# Altium PCB PCB.PcbDoc (part 1 of 3) (continued)
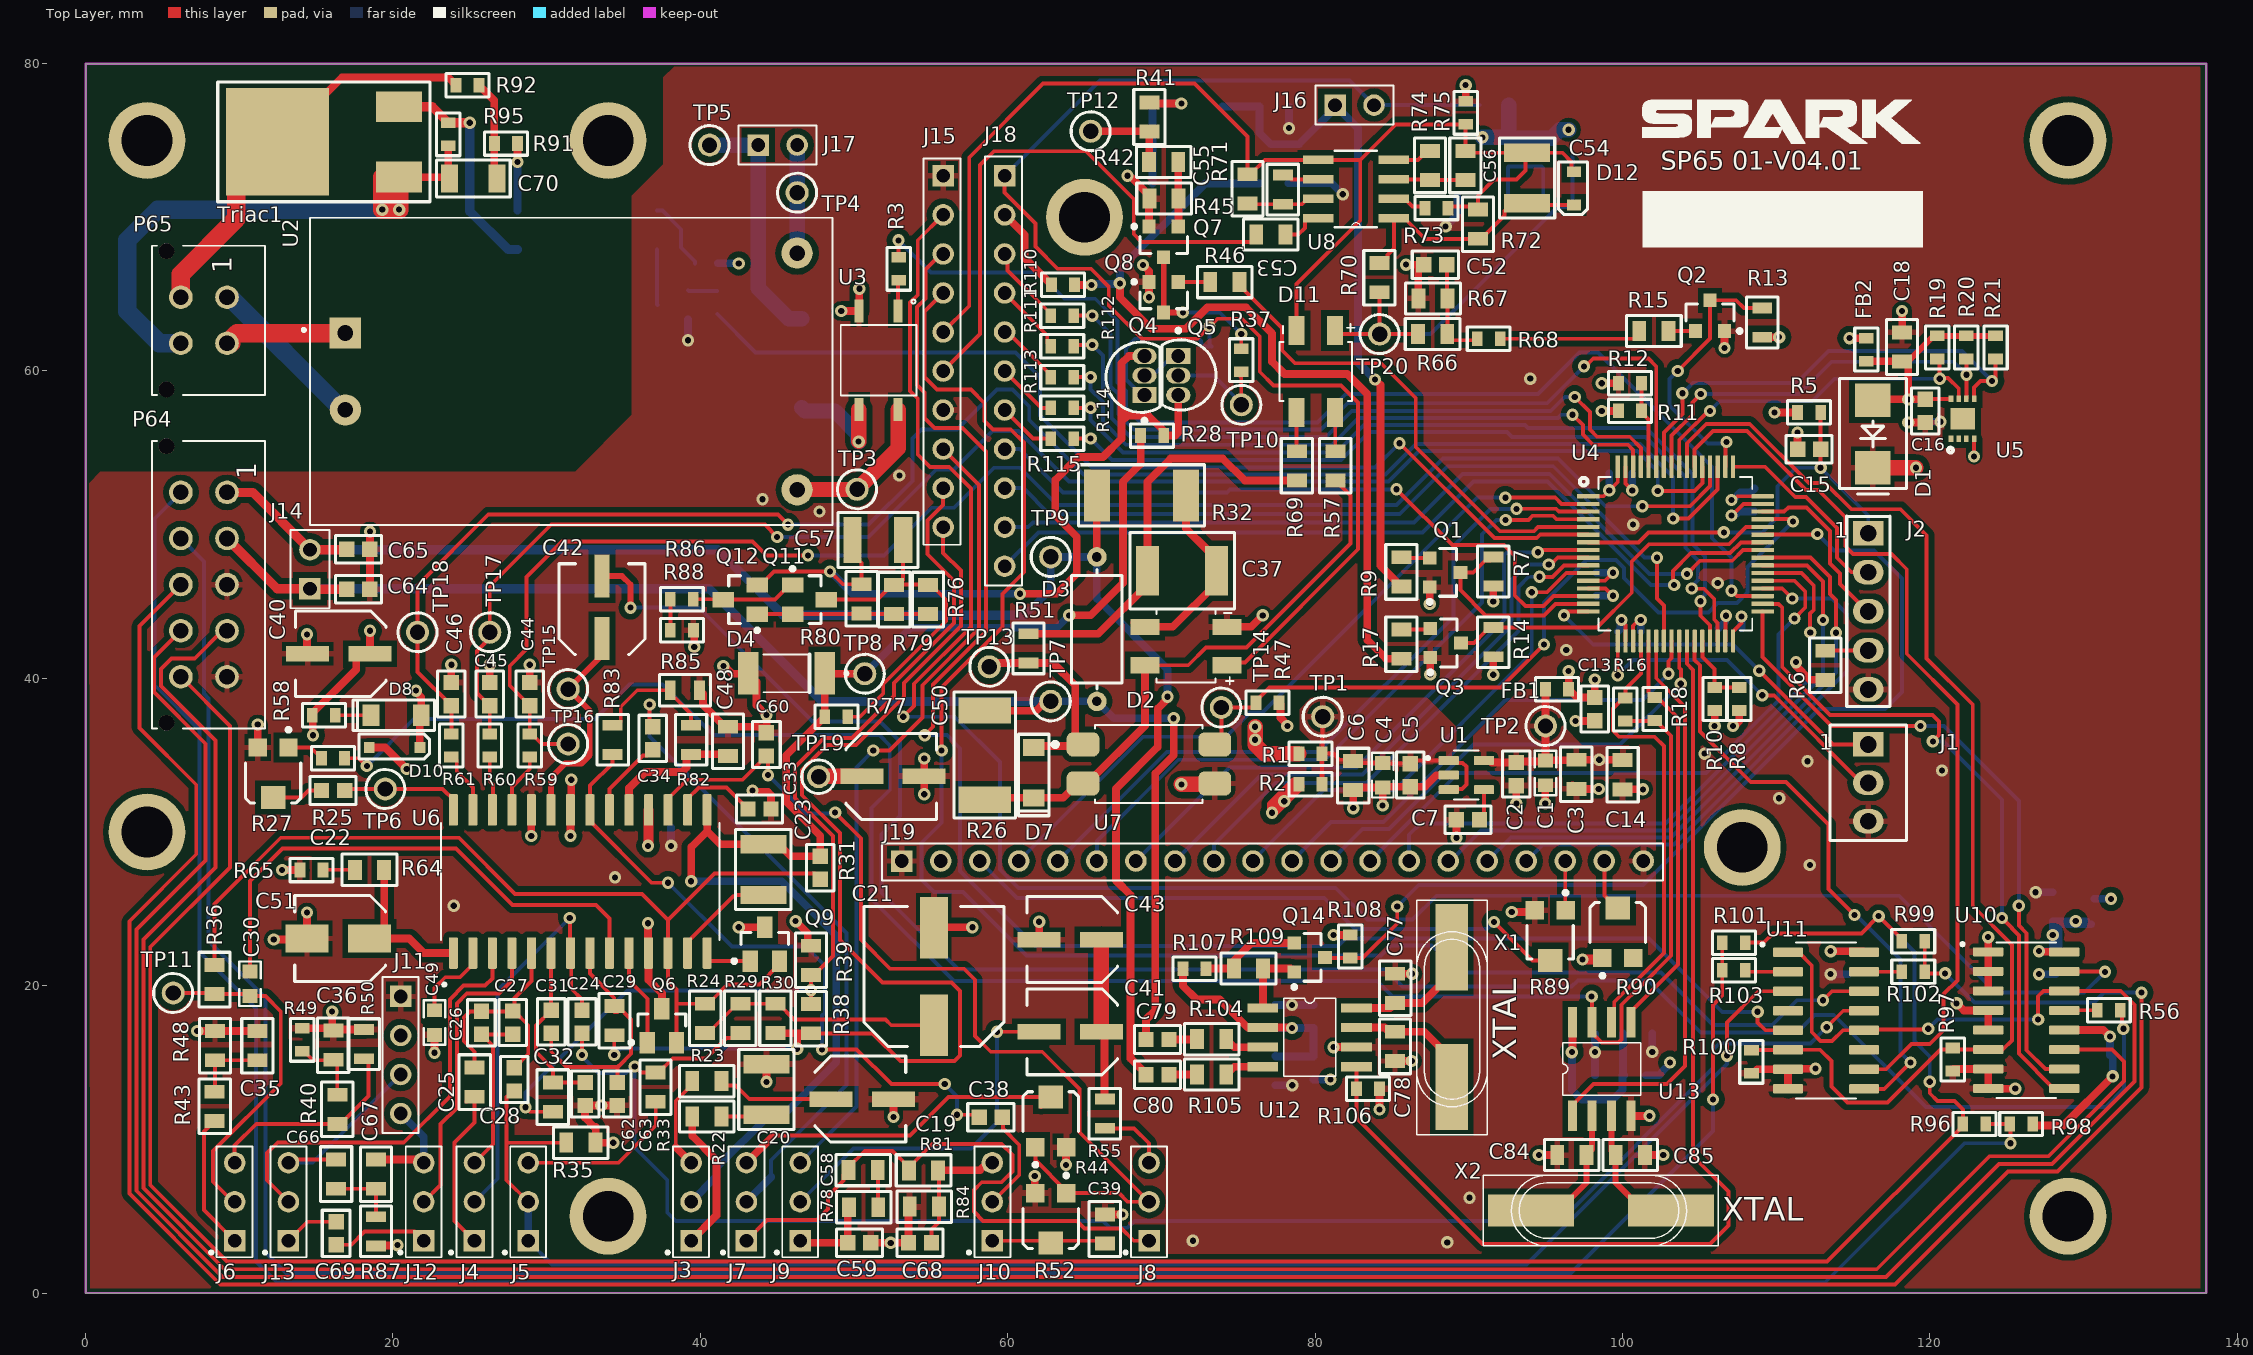
[diagram p0: Top Layer view]
## Part data (continued)
C44 C45 C46 C62 C63 C64 C65: library part CMP-001-00177-2, "Cap, 1000PF, 250V, 10%, X7R, 0603", Case Code (Metric)=1608, Case/Package=0603, Manufacturer="Wurth Electronics", Max Operating Temperature=125°C, Min Operating Temperature=-55°C, Tolerance=10%, Voltage Rating=250V, Category="Ceramic Capacitors", Component Type=Standard, ComponentLink1Description=http://www.farnell.com/datasheets/2547029.pdf?src-supplier=Farnell, ComponentLink1URL=http://www.farnell.com/datasheets/2547029.pdf?src-supplier=Farnell, ComponentLink2Description=http://www.farnell.com/datasheets/2547029.pdf?src-supplier=Newark, ComponentLink2URL=http://www.farnell.com/datasheets/2547029.pdf?src-supplier=Newark, ComponentLink3Description=https://katalog.we-online.de/pbs/datasheet/885342206003.pdf?src-supplier=Digi-Key, ComponentLink3URL=https://katalog.we-online.de/pbs/datasheet/885342206003.pdf?src-supplier=Digi-Key, Design Item ID=885342206003, Manufacturer Part Number=885342206003, Mount="Surface Mount", Packaging="Cut Tape", Pin Count=2, Pricing 1="1=0.1, 10=0.069, 50=0.069, 100=0.062, 1000=0.055, 10000=0.042 (USD)", RoHS=No, Series=WCAP-CSMH, Source=V4-TEL.SCHLIB, Stock 1=14686
C47 C48 C58: library part CMP-001-00133-2, "Cap Ceramic 22uF 10V X5R 10% SMD 0805 85C T/R", Capacitor Type="Ceramic Capacitors", Case Code (Imperial)=0805, Case Code (Metric)=2012, Dielectric=X5R, Max Operating Temperature=85°C, Min Operating Temperature=-55°C, Tolerance=10%, Voltage Rating=10V, Case/Package=0805, Depth=1.25mm, Lead Free="Lead Free", Length=0.079inch, Mounting Technology="Surface Mount", Packaging="Tape and Reel", Pins=2, Radiation Hardening=No, RoHS Compliant=Yes, Series=CL, Thickness=0.037inch, Width=0.049inch
C51: "SMD Aluminium Electrolytic Capacitor, WCAP-ASLI Series, 33 F, 6.3 V, Radial Can - SMD, 4 mm RoHS Compliant: Yes", Case/Package=Radial, Manufacturer="Wurth Electronics", Manufacturer Part Number=865080140003, Max Operating Temperature=105°C, Min Operating Temperature=-55°C, Package Quantity=1, Ripple Current=82mA, Tolerance=20%, Voltage Rating=6.3V, Category="Aluminum Electrolytic Capacitors", Component Type=Standard, ComponentLink1Description=http://www.farnell.com/datasheets/1880086.pdf?src-supplier=Farnell, ComponentLink1URL=http://www.farnell.com/datasheets/1880086.pdf?src-supplier=Farnell, ComponentLink2Description=http://www.farnell.com/datasheets/1880086.pdf?src-supplier=Element14, ComponentLink2URL=http://www.farnell.com/datasheets/1880086.pdf?src-supplier=Element14, ComponentLink3Description=http://katalog.we-online.de/pbs/datasheet/865080140003.pdf?src-supplier=Digi-Key, ComponentLink3URL=http://katalog.we-online.de/pbs/datasheet/865080140003.pdf?src-supplier=Digi-Key, ComponentLink4Description=https://katalog.we-online.de/pbs/datasheet/865080140003.pdf?src-supplier=Digi-Key, ComponentLink4URL=https://katalog.we-online.de/pbs/datasheet/865080140003.pdf?src-supplier=Digi-Key, Design Item ID=865080140003, Diameter=4mm, Height=5.5mm, Height - Seated (Max)=0.217inch, Impedance=1.9R, Mount="Surface Mount", Packaging="Cut Tape", Pin Count=2, Pricing 1="1=0.18, 10=0.18, 50=0.169, 100=0.158, 1000=0.102, 10000=0.102 (USD)", Reach SVHC Compliant=Unknown, Ripple Current (AC)=82mA, RoHS=Yes, RoHS Compliant=Yes, Series=WCAP-ASLI, Source=V4-TEL.SCHLIB, Stock 1=4789, Voltage Rating (DC)=6.3V
C53: "Cap Ceramic 0.22uF 50V X7R 10% SMD 0805 125°C Plastic T/R", Case/Package=Ceramic, Dielectric=X7R, Manufacturer=KEMET, Manufacturer Part Number=C0805C224K5RAC7210, Max Operating Temperature=125°C, Min Operating Temperature=-55°C, Tolerance=10%, Voltage Rating (DC)=50V, Category="Ceramic Capacitors", Component Type=Standard, ComponentLink1Description=https://www.verical.com/server-webapp/html/getDatasheet?partID=708051&src-supplier=Verical, ComponentLink1URL=https://www.verical.com/server-webapp/html/getDatasheet?partID=708051&src-supplier=Verical, ComponentLink2Description=http://components.arrow.com/part/dataview/48344387S408465N7429?src-supplier=Arrow+Electronics, ComponentLink2URL=http://components.arrow.com/part/dataview/48344387S408465N7429?src-supplier=Arrow+Electronics, ComponentLink3Description=http://capacitoredge.kemet.com/capedge2/DataSheet?pn=C0805C224K5RAC7210&src-supplier=Avnet, ComponentLink3URL=http://capacitoredge.kemet.com/capedge2/DataSheet?pn=C0805C224K5RAC7210&src-supplier=Avnet, Construction=Flat, Contact Plating=Tin,Matte, Depth=1.25mm, Design Item ID=C0805C224K5RAC7210, Dielectric Material=Ceramic, Length=2mm, Mount="Surface Mount", Packaging="Tape and Reel", Pin Count=2, Pricing 1="1=0.14, 10=0.094, 50=0.094, 100=0.048, 1000=0.029, 10000=0.022 (USD)", Radiation Hardening=No, RoHS=Yes, RoHS Compliant=Yes, Source=V4-TEL.SCHLIB, Stock 1=10097
C55: Manufacturer=KEMET, Manufacturer Part Number=C0805C621K1HACTU, Category="Ceramic Capacitors", Component Type=Standard, Design Item ID=C0805C621K1HACTU, Pin Count=2, Pricing 1="1=0.1, 10=0.072, 50=0.072, 100=0.033, 1000=0.019, 10000=0.016 (USD)", RoHS=Yes, RoHS Compliant=Yes, Source=V4-TEL.SCHLIB, Stock 1=15121
C56: "Capacitor, Ceramic; 0.1UF; Chip; Case 0805; +/-10%; 50WVDC; SMD; X7R; 2.5% Df; 0.037IN. ,", Case Code (Metric)=2012, Case/Package=0805, Dielectric=X7R, Dielectric Material=Ceramic, Manufacturer="Kyocera AVX", Manufacturer Part Number=08055C104KAT2A, Max Operating Temperature=125°C, Min Operating Temperature=-55°C, Package Quantity=4000, Tolerance=10%, Voltage=50V, Category="Ceramic Capacitors", Component Type=Standard, ComponentLink1Description=https://datasheet.ciiva.com/11786/0900766b802d4698-11786116.pdf?src-supplier=Rs, ComponentLink1URL=https://datasheet.ciiva.com/11786/0900766b802d4698-11786116.pdf?src-supplier=Rs, ComponentLink2Description=https://datasheet.ciiva.com/19475/2009691-19475858.pdf?src-supplier=Jameco, ComponentLink2URL=https://datasheet.ciiva.com/19475/2009691-19475858.pdf?src-supplier=Jameco, ComponentLink3Description=https://datasheet.ciiva.com/2988/cx7r-2988014.pdf?src-supplier=Avnet, ComponentLink3URL=https://datasheet.ciiva.com/2988/cx7r-2988014.pdf?src-supplier=Avnet, ComponentLink4Description=https://datasheet.ciiva.com/16199/cx7r-16199014.pdf?src-supplier=Future+Electronics, ComponentLink4URL=https://datasheet.ciiva.com/16199/cx7r-16199014.pdf?src-supplier=Future+Electronics, ComponentLink5Description=https://datasheet.ciiva.com/11504/cx7r-11504044.pdf?src-supplier=Avnet, ComponentLink5URL=https://datasheet.ciiva.com/11504/cx7r-11504044.pdf?src-supplier=Avnet, ComponentLink6Description=https://datasheet.ciiva.com/150/cx7r-150258.pdf?src-supplier=Digi-Key, ComponentLink6URL=https://datasheet.ciiva.com/150/cx7r-150258.pdf?src-supplier=Digi-Key, ComponentLink7Description=https://datasheet.ciiva.com/150/cx7r-150257.pdf?src-supplier=Digi-Key, ComponentLink7URL=https://datasheet.ciiva.com/150/cx7r-150257.pdf?src-supplier=Digi-Key, ComponentLink8Description=https://datasheet.ciiva.com/150/cx7r-150259.pdf?src-supplier=Digi-Key, ComponentLink8URL=https://datasheet.ciiva.com/150/cx7r-150259.pdf?src-supplier=Digi-Key, ComponentLink9Description=https://datasheet.ciiva.com/7812/cx7r-7812079.pdf?src-supplier=Element14, ComponentLink9URL=https://datasheet.ciiva.com/7812/cx7r-7812079.pdf?src-supplier=Element14, ComponentLink10Description=https://datasheet.ciiva.com/5416/cx7r-5416959.pdf?src-supplier=Mouser, ComponentLink10URL=https://datasheet.ciiva.com/5416/cx7r-5416959.pdf?src-supplier=Mouser, Design Item ID=08055C104KAT2A, Height=0.5mm, Lead Free="Lead Free", Length=2mm, Packaging="Cut Tape", Pin Count=2, Pricing 1="1=0.1, 10=0.037, 50=0.037, 100=0.022, 1000=0.017, 10000=0.013 (USD)", RoHS=Yes, RoHS Compliant=Yes, Series="MLCC X7R", Source=V4-TEL.SCHLIB, Stock 1=2002566, Termination=Standard, Voltage Rating (DC)=50V, Weight=0.001411oz, Width=1.2mm
C57: library part CMP-001-00146-2, "3225 C 10uF Ceramic Multilayer Capacitor; 50 V; +85degC; X7R Dielectric; +/-20%", Case Code (Metric)=3225, Case/Package=1210, Dielectric=X7R, Dielectric Material=Ceramic, Manufacturer=KEMET, Max Operating Temperature=125°C, Min Operating Temperature=-55°C, Tolerance=20%, Voltage=50V, Category="Ceramic Capacitors", Component Type=Standard, ComponentLink1Description=http://www.farnell.com/datasheets/2746479.pdf?src-supplier=Farnell, ComponentLink1URL=http://www.farnell.com/datasheets/2746479.pdf?src-supplier=Farnell, ComponentLink2Description=http://uk.rs-online.com/webdocs/1515/0900766b8151523a.pdf?src-supplier=RSComponents, ComponentLink2URL=http://uk.rs-online.com/webdocs/1515/0900766b8151523a.pdf?src-supplier=RSComponents, ComponentLink3Description=http://www.farnell.com/datasheets/2323917.pdf?src-supplier=Farnell, ComponentLink3URL=http://www.farnell.com/datasheets/2323917.pdf?src-supplier=Farnell, ComponentLink4Description=http://www.mouser.com/ds/2/212/KEM_C1002_X7R_SMD-357932.pdf?src-supplier=Mouser, ComponentLink4URL=http://www.mouser.com/ds/2/212/KEM_C1002_X7R_SMD-357932.pdf?src-supplier=Mouser, ComponentLink5Description=http://www.kemet.com/Lists/ProductCatalog/Attachments/53/KEM_C1002_X7R_SMD.pdf?src-supplier=Digi-Key, ComponentLink5URL=http://www.kemet.com/Lists/ProductCatalog/Attachments/53/KEM_C1002_X7R_SMD.pdf?src-supplier=Digi-Key, ComponentLink6Description=http://www.farnell.com/datasheets/2746479.pdf?src-supplier=Newark, ComponentLink6URL=http://www.farnell.com/datasheets/2746479.pdf?src-supplier=Newark, ComponentLink7Description=https://api.kemet.com/component-edge/download/datasheet/C1210C106M5RACTU.pdf?src-supplier=Digi-Key, ComponentLink7URL=https://api.kemet.com/component-edge/download/datasheet/C1210C106M5RACTU.pdf?src-supplier=Digi-Key, Depth=2.5mm, Design Item ID=C1210C106M5RACTU, Height=2.5mm, Length=3.2mm, Manufacturer Part Number=C1210C106M5RACTU, Mounting Technology="Surface Mount", Packaging="Tape and Reel", Pins=2, RoHS Compliant=Yes, Thickness=0.11inch, Voltage Rating=50V, Voltage Rating (DC)=50V, Weight=0.000564oz, Width=0.098inch
C59: "Chip Capacitor 0603 MLCC X5R 3.3 uF+/- 10% 6.3 V T&R GP", Manufacturer="Walsin Technologies", Manufacturer Part Number=0603X335K6R3CT, Category="Ceramic Capacitors", Component Type=Standard, Design Item ID=0603X335K6R3CT, Pin Count=2, Pricing 1="1=0.2, 10=0.137, 50=0.137, 100=0.069, 1000=0.042, 10000=0.032 (USD)", RoHS=Yes, RoHS Compliant=Yes, Source=V4-TEL.SCHLIB, Stock 1=7326
C66 C67: "Cap Ceramic 0.0047uF 50V X7R 10% SMD 0805 125°C Paper T/R", Case Code (Imperial)=0805, Case Code (Metric)=2012, Dielectric=X7R, Dielectric Material=Ceramic, Max Operating Temperature=125°C, Min Operating Temperature=-55°C, Tolerance=10%, Voltage Rating (DC)=50V, Case/Package=0805, Construction=Flat, Depth=1.25mm, Height=0.78mm, Length=2mm, Mounting Technology="Surface Mount", Packaging="Tape and Reel", Pins=2, RoHS Compliant=Yes, Series="SMD Comm X7R", Termination=SMD/SMT, Weight=0.000194oz, Width=1.2mm
C70: "Capacitor SMD Ceramic 1206 400Vdc X7R Dielectric 0.022uF ±10% 125°C T/R", Dielectric=X7R, Manufacturer="Kyocera AVX", Manufacturer Part Number=12068C223KAT2A, Max Operating Temperature=125°C, Min Operating Temperature=-55°C, Package Quantity=2000, Tolerance=10%, Voltage Rating (DC)=400V, Category="Ceramic Capacitors", Component Type=Standard, ComponentLink1Description=http://www.mouser.com/ds/2/40/X7RDielectric-777024.pdf?src-supplier=Mouser, ComponentLink1URL=http://www.mouser.com/ds/2/40/X7RDielectric-777024.pdf?src-supplier=Mouser, Design Item ID=12068C223KAT2A, Packaging="Tape and Reel", Pin Count=2, Pricing 1="1=0.72, 10=0.531, 50=0.531, 100=0.364, 1000=0.243, 10000=0.215 (USD)", RoHS=Yes, Source=V4-TEL.SCHLIB, Stock 1=2302
C77 C78 C84 C85: "CAP CER 20PF 50V NPO 0805", Case Code (Metric)=2012, Case/Package=0805, Dielectric=NP0, Manufacturer=Yageo, Manufacturer Part Number=CC0805JRNPO9BN200, Max Operating Temperature=125°C, Min Operating Temperature=-55°C, Tolerance=5%, Voltage Rating=50V, Category="Ceramic Capacitors", Component Type=Standard, ComponentLink1Description=https://datasheet.ciiva.com/5427/upy-gp-np0-16v-to-50v-8-5427416.pdf?src-supplier=Mouser, ComponentLink1URL=https://datasheet.ciiva.com/5427/upy-gp-np0-16v-to-50v-8-5427416.pdf?src-supplier=Mouser, Design Item ID=CC0805JRNPO9BN200, Lead Free="Lead Free", Length=0.079inch, Mounting Technology="Surface Mount", Packaging="Tape and Reel", Pin Count=2, Pins=2, Pricing="1=0.13, 10=0.054, 50=0.054, 100=0.032, 1000=0.026, 10000=0.017 (USD)", RoHS=Yes, Series=CC, Source=V4-TEL.SCHLIB, Stock=3029, Termination=SMD/SMT, Thickness=0.028inch, Voltage Rating (DC)=50V, Width=1.25mm
D1: "Diode TVS Single Bi-Dir 5V 600W 2-Pin SMBJ", Breakdown Voltage=7.25V, Case/Package=DO-214AA, Clamping Voltage=9.2V, Leakage Current=1.6mA, Manufacturer=Bourns, Manufacturer Part Number=SMBJ5.0CA, Max Operating Temperature=150°C, Max Power Dissipation=600W, Max Surge Current=100A, Min Breakdown Voltage=6.4V, Min Operating Temperature=-55°C, Operating Supply Voltage=3.5V, Package Quantity=1, Peak Pulse Current=65.2A, Power Line Protection=No, Resistor Type=Zener, Reverse Standoff Voltage=5V, Test Current=10mA, Category="TVS Diodes", Component Type=Standard, ComponentLink1Description=https://datasheet.ciiva.com/334/smbj-334706.pdf?src-supplier=Digi-Key, ComponentLink1URL=https://datasheet.ciiva.com/334/smbj-334706.pdf?src-supplier=Digi-Key, ComponentLink2Description=https://datasheet.ciiva.com/3022/smbj-3022578.pdf?src-supplier=Avnet, ComponentLink2URL=https://datasheet.ciiva.com/3022/smbj-3022578.pdf?src-supplier=Avnet, ComponentLink3Description=https://datasheet.ciiva.com/334/smbj-334707.pdf?src-supplier=Digi-Key, ComponentLink3URL=https://datasheet.ciiva.com/334/smbj-334707.pdf?src-supplier=Digi-Key, ComponentLink4Description=https://datasheet.ciiva.com/334/smbj-334708.pdf?src-supplier=Digi-Key, ComponentLink4URL=https://datasheet.ciiva.com/334/smbj-334708.pdf?src-supplier=Digi-Key, ComponentLink5Description=https://datasheet.ciiva.com/28410/1677318-28410120.pdf?src-supplier=Element14, ComponentLink5URL=https://datasheet.ciiva.com/28410/1677318-28410120.pdf?src-supplier=Element14, ComponentLink6Description=https://datasheet.ciiva.com/8031/1677318-8031161.pdf?src-supplier=Element14, ComponentLink6URL=https://datasheet.ciiva.com/8031/1677318-8031161.pdf?src-supplier=Element14, ComponentLink7Description=https://datasheet.ciiva.com/30104/smbj-30104446.pdf?src-supplier=Onlinecomponents.com, ComponentLink7URL=https://datasheet.ciiva.com/30104/smbj-30104446.pdf?src-supplier=Onlinecomponents.com, Design Item ID=SMBJ5.0CA, Diode Type=ZENER, Direction=Bidirectional, Element Configuration=Single, Max Breakdown Voltage=7.25V, Max Reverse Leakage Current=1.6mA, Mount="Surface Mount", Number of Bidirectional Channels=1, Number of Channels=1, Number of Elements=1, Packaging="Tape and Reel", Peak Pulse Power=600W, Pin Count=2, Pins=2, Polarity=Bidirectional, Pricing 1="1=0.51000, 10=0.38300, 50=0.38300, 100=0.23900, 1000=0.13000, 10000=0.12600 (USD)", Radiation Hardening=No, REACH SVHC="No SVHC", Reverse Breakdown Voltage=6.4V, RoHS=Yes, RoHS Compliant=Yes, Series=SMBJ, Source=PTZ.SCHLIB, Stock 1=248, Termination=SMD/SMT
D2 D11: library part CMP-004-00066-2, "Bridge Rectifier Single Phase Standard 1 kV Surface Mount MBF", Case/Package=MBF, Forward Current=800mA, Forward Voltage=940mV, Manufacturer=Diodes, Max Operating Temperature=150°C, Max Surge Current=30A, Min Operating Temperature=-55°C, Peak Inverse Voltage=1kV, Manufacturer Part Number=MB10F-13, Mounting Technology="Surface Mount", Pins=4
D3: library part CMP-004-00063-2, "MITSUBISHI MATERIALS DSS Series 300V 0.5kA Through Hole Surge Absorber Gas Discharge Tube (GDT)", Manufacturer=Mitsubishi, Component Type=Standard, Design Item ID=DSS-301L, Height=3.3mm, Length=7mm, Manufacturer Part Number=DSS-301L, Mount="Through Hole", Pins=2, RoHS Compliant=No
D4: library part CMP-004-00069-2, "Zener Diodes 10 Volt 1 Watt 5%", Case/Package=MELF, Manufacturer Part Number=ZM4740A_L0G, Max Operating Temperature=175°C, Max Power Dissipation=1W, Max Reverse Leakage Current=10uA, Min Operating Temperature=-65°C, Package Quantity=5000, Voltage Tolerance=5%, Zener Voltage=10V, Impedance=7R, Packaging="Tape and Reel", Pins=2, RoHS Compliant=Yes
D5 D6: library part CMP-004-00067-1, "MURS140 Series 400 V 1 A 75 ns SMT Ultrafast Plastic Rectifier - DO-214AA", Average Rectified Current=2A, Case/Package=SMB, Forward Voltage=1.25V, Max Operating Temperature=175°C, Max Repetitive Reverse Voltage (Vrrm)=400V, Max Reverse Current=5uA, Max Surge Current=35A, Min Operating Temperature=-65°C, Package Quantity=3200, Forward Current=2A, Lead Free="Lead Free", Max Reverse Voltage (DC)=400V, Mounting Technology="Surface Mount", Packaging="Tape and Reel", Peak Inverse Voltage=400V, Peak Non-Repetitive Surge Current=35A, Pins=2, Radiation Hardening=No, Recovery Time=75ns, Reverse Recovery Time=75ns, Reverse Recovery Time-Max=75ns, Reverse Voltage=400V, RoHS Compliant=Yes
D7 D8: library part CMP-004-00042-3, "Si-diode 0, 15A 100V SOD123", Forward Current=150mA, Manufacturer="Pan Jit", Max Operating Temperature=150°C, Max Repetitive Reverse Voltage (Vrrm)=100V, Min Operating Temperature=-50°C, Peak Non-Repetitive Surge Current=4A, Category="Rectifier Diodes", ComponentLink1Description=https://datasheet.ciiva.com/8300/1n4148w-8300232.pdf?src-supplier=Avnet, ComponentLink1URL=https://datasheet.ciiva.com/8300/1n4148w-8300232.pdf?src-supplier=Avnet, Design Item ID=1N4148W_R1_00001, Element Configuration=Single, Manufacturer Part Number=1N4148W_R1_00001, Mount="Surface Mount", Mounting Technology="Surface Mount", Pins=2, Pricing 1="1=0.14000, 10=0.13000, 50=0.13000, 100=0.07100, 500=0.04400, 1000=0.03000, 3000=0.02200, 9000=0.01900, 10000=0.01900, 24000=0.01700, 45000=0.01400 (USD)", Radiation Hardening=No, Reverse Recovery Time=4ns, RoHS Compliant=Yes
D9 D10: library part CMP-004-00062-2, "Diode Zener Single 5.1V 2.564% 200mW Automotive 2-Pin SOD-323 T/R", Case/Package=SOD-323-2, Forward Voltage=900mV, Manufacturer=Diodes, Max Operating Temperature=150°C, Max Power Dissipation=200mW, Max Reverse Current=5uA, Min Operating Temperature=-65°C, Package Quantity=3000, Test Current=20mA, Tolerance=3%, Voltage Tolerance=2.564%, Zener Voltage=5.1V, Category="Zener Diodes", Component Type=Standard, Height=1.05mm, Impedance=17R, Length=2.5mm, Manufacturer Part Number=DDZ5V1BS-7, Max Reverse Leakage Current=5uA, Mount="Surface Mount", Mounting Technology="Surface Mount", Packaging="Tape and Reel", Pin Count=2, Pins=2, Power Dissipation=200mW, Power Rating=200mW, Pricing 1="1=0.12, 10=0.101, 50=0.101, 100=0.07, 1000=0.055, 10000=0.033 (USD)", Radiation Hardening=No, RoHS=Yes, RoHS Compliant=Yes, Weight=0.000173oz, Width=1.3mm, Zener Current=5uA
D12: "On a Reel of 3000, ON Semiconductor, 27V Zener Diode 2% 300 mW SMT 2-Pin SOD-323, RL", Case/Package=SOD-323-2, Manufacturer="ON Semiconductor", Manufacturer Part Number=MM3Z27VST1G, Max Operating Temperature=150°C, Max Power Dissipation=200mW, Max Reverse Leakage Current=50nA, Min Operating Temperature=-65°C, Package Quantity=3000, Test Current=5mA, Voltage Tolerance=2%, Zener Voltage=26.86V, Category="Zener Diodes", Component Type=Standard, ComponentLink1Description=https://datasheet.ciiva.com/10637/mm3z2v4st1-d-10637814.pdf?src-supplier=Avnet, ComponentLink1URL=https://datasheet.ciiva.com/10637/mm3z2v4st1-d-10637814.pdf?src-supplier=Avnet, Design Item ID=MM3Z27VST1G, Height=1mm, Impedance=80R, Lead Free="Lead Free", Length=1.8mm, Packaging="Tape and Reel", Pin Count=2, Pins=2, Power Dissipation=200mW, Pricing 1="1=0.15, 10=0.126, 50=0.126, 100=0.075, 1000=0.032, 10000=0.02 (USD)", Radiation Hardening=No, RoHS=Yes, RoHS Compliant=Yes, Source=V4-TEL.SCHLIB, Stock 1=26808, Width=1.35mm
FB1 FB2 FB3 FB4 FB5: "Ferrite Beads 0603 60ohm", Case/Package=0603, Current Rating=1A, DC Resistance (DCR)=200mR, Manufacturer 1=Murata, Manufacturer Part Number 1=BLM18PG471SN1B, Max Operating Temperature=125°C, Min Operating Temperature=-55°C, Package Quantity=1000, Tolerance=25%, Category="Ferrite Beads and Chips", ComponentLink1Description=http://www.mouser.com/ds/2/281/c31e-794748.pdf?src-supplier=Mouser, ComponentLink1URL=http://www.mouser.com/ds/2/281/c31e-794748.pdf?src-supplier=Mouser, Design Item ID=BLM18PG471SN1B, Impedance=470R, Packaging=Bulk, Pins=2, RoHS=Yes, Source=PTZLib.SchLib
J1: library part CMP-002-00072-2, "EI Series 3 Position 2.5 mm Single Row Through Hole Shrouded Header", Case/Package=1000, Color=Natural, Contact Current Rating=3.5A, Contact Resistance=20mR, Flammability Rating="UL94 V-0", Manufacturer="TE Connectivity", Max Operating Temperature=95°C, Max Voltage Rating (AC)=250V, Max Voltage Rating (DC)=350.25kV, Min Operating Temperature=-20°C, Voltage Rating=350V, Approvals=UL, Backwall/Post Interruptions="No (Without)", Category=Connectors, ComponentLink1Description=https://datasheet.ciiva.com/15175/getdatasheetpartid-40634-15175588.pdf?src-supplier=Verical, ComponentLink1URL=https://datasheet.ciiva.com/15175/getdatasheetpartid-40634-15175588.pdf?src-supplier=Verical, ComponentLink2Description=https://datasheet.ciiva.com/19461/1963001-19461179.pdf?src-supplier=Jameco, ComponentLink2URL=https://datasheet.ciiva.com/19461/1963001-19461179.pdf?src-supplier=Jameco, ComponentLink3Description=https://datasheet.ciiva.com/11750/0900766b80ed54cb-11750348.pdf?src-supplier=RSComponents, ComponentLink3URL=https://datasheet.ciiva.com/11750/0900766b80ed54cb-11750348.pdf?src-supplier=RSComponents, ComponentLink4Description=https://datasheet.ciiva.com/30247/eng-cat-1242174-0698-8-30247015.pdf?src-supplier=Onlinecomponents.com, ComponentLink4URL=https://datasheet.ciiva.com/30247/eng-cat-1242174-0698-8-30247015.pdf?src-supplier=Onlinecomponents.com, ComponentLink5Description=https://datasheet.ciiva.com/6857/eng-cd-171825-y2-171825-c-6857228.pdf?src-supplier=Digi-Key, ComponentLink5URL=https://datasheet.ciiva.com/6857/eng-cd-171825-y2-171825-c-6857228.pdf?src-supplier=Digi-Key, Connector Type=Plug,Header,Pin, Contact Gender=Male, Contact Material=Brass, Contact Mating Length=7.5mm, Contact Plating=Copper,Tin, Contact Retention="No (Without)", Contact Shape=Square, Contact Type="Male Pin", Current Rating=3.5A, Depth=4.9mm, Design Item ID=171825-3, Height=0.409inch, Housing Color=Natural, Housing Material=Nylon, Insulation Material=Polyamide, Length=7.5mm, Manufacturer Part Number=171825-3, Mating Alignment="Yes (With)", Mating Retention="Yes (With)", Mounting Technology="Through Hole", Number of Contacts=3, Number of Positions=3, Number of Rows=1, Orientation=Straight, Packaging=Bag, PCB Mount Alignment="No (Without)", PCB Mount Retention=Without, PCB Mounting Orientation=Vertical, PCB Thickness=0.063inch, Pins=3, Pitch=2.5mm, Plating Thickness=0.8um, Pricing 1="1=0.26000, 10=0.21300, 50=0.21300, 100=0.16500, 500=0.15000, 1000=0.12400, 2000=0.11300, 5000=0.10600, 10000=0.09900, 25000=0.09300 (USD)", REACH SVHC="No SVHC", RoHS=Yes, RoHS Compliant=Yes, Series=EI, Strain Relief="No (Without)", Tail Length=0.142inch, Termination=Solder, Width=14mm
J2: library part CMP-017-000010-1, "Manufacturer Part # :   9-146278-0", Design Item ID="5 x 1 HDR", Source=PTZLib.SchLib
J3 J4 J5 J6 J7 J8 J9 J10 J12 J13: library part CMP-002-00180-2, "Conn Unshrouded Header HDR 3 POS 2.54mm Solder ST Top Entry Thru-Hole Carton", Case/Package=None, Color=Black, Contact Current Rating=3A, Flammability Rating="UL94 V-0", High Temperature Housing=Yes, Manufacturer="TE Connectivity", Max Operating Temperature=105°C, Max Voltage Rating (AC)=250V, Min Operating Temperature=-65°C, Package Quantity=540, Voltage Rating=750V, Approvals=CSA, Board Standoff="Yes (With)", Centerline_Pitch="2.54 mm[.1 in]", Connector Type=Plug,Header,Pin, Contact Finish - Mating=TIN, Contact Gender=Male, Contact Material=Bronze, Contact Mating Length=8.08mm, Contact Plating=Tin, Contact Post Length=0.125inch, Contact Protection="No (Without)", Contact Shape=Square, Contact Type="Male Pin", Current Rating=3A, Depth=2.34mm, Design Item ID=5-146274-3, ELV=Compliant, EU_RoHS_Compliance=Compliant, Fastening Type=Pull, Gasket="No (Without)", Gender=Male, High Speed Serial Data Connector=No, Housing Color=Black, Housing Material=Polymer, Insulation Color=Black, Insulation Material=Polymer, Keyed=No, Lead Free="Lead Free", Length=7.21mm, Manufacturer Part Number=5-146274-3, Mating Alignment="No (Without)", Mating Connector Lock="No (Without)", Mounting Technology="Through Hole", Number of Contacts=3, Number of Positions=3, Number of Rows=1, Orientation=Straight, Packaging=Carton, PCB Mount Retention=Without, PCB Mounting Orientation=Vertical, PCB Thickness=0.062inch, Pins=3, Pitch=2.54mm, Price=None, Product_Type=Connector, Radiation Hardening=No, Reach SVHC Compliant=Unknown, RoHS Compliant=Yes, Row Spacing=2.54mm, Selectively Loaded="No (Without)", Series="AMPMODU MOD II", SnapEDA_Link=https://www.snapeda.com/parts/5-146274-3/TE%20Connectivity%20AMP%20Connectors/view-part/904860/?ref=snap, Source=SnapEDAsch.SchLib, Stabilizers="No (Without)", Strain Relief="No (Without)", TE_purchase_URL=https://www.te.com/usa-en/product-5-146274-3.html?te_bu=Cor&te_type=disp&te_campaign=seda_glo_cor-seda-global-disp-prtnr-fy19-seda-model-bom-cta_sma-317_1&elqCampaignId=32493, Termination="Through Hole"
J11: library part CMP-002-00185-1, "5-146274-4 ; ROHS ; TYCO ; AMPMODU Breakaway Heade rs 4P HEADER TIN single r ow", Color=Black, Contact Current Rating=3A, Flammability Rating="UL94 V-0", High Temperature Housing=Yes, Max Operating Temperature=105°C, Max Voltage Rating (AC)=250V, Min Operating Temperature=-65°C, Package Quantity=500, Approvals=CSA, Board Standoff="Yes (With)", Connector Type=Plug,Header,Pin, Contact Finish - Mating=TIN, Contact Gender=Male, Contact Material=Bronze, Contact Mating Length=8.08mm, Contact Plating=Tin, Contact Post Length=0.125inch, Contact Protection="No (Without)", Contact Shape=Square, Contact Type="Male Pin", Depth=2.34mm, ELV=Compliant, Fastening Type=Pull, Gasket="No (Without)", High Speed Serial Data Connector=No, Housing Color=Black, Housing Material=Polymer, Insulation Color=Black, Insulation Material=Polymer, Keyed=No, Length=9.75mm, Mating Alignment="No (Without)", Mating Connector Lock="No (Without)", Mounting Technology="Through Hole", Number of Contacts=4, Number of Positions=4, Number of Rows=1, Orientation=Straight, Packaging=Carton, PCB Mount Retention=Without, PCB Mounting Orientation=Vertical, PCB Thickness=0.062inch, Pitch=2.54mm, Radiation Hardening=No, RoHS Compliant=Yes, Row Spacing=2.54mm, Selectively Loaded="No (Without)", Series="AMPMODU MOD II", Stabilizers="No (Without)", Strain Relief="No (Without)", Termination="Through Hole"
J14 J16 J17: library part CMP-002-00181-1, "Conn Unshrouded Header HDR 2 POS 2.54mm Solder ST Top Entry Thru-Hole Carton", Color=Black, Contact Current Rating=3A, Flammability Rating="UL94 V-0", High Temperature Housing=Yes, Max Operating Temperature=105°C, Max Voltage Rating (AC)=250V, Min Operating Temperature=-65°C, Package Quantity=500, Voltage Rating=750V, Approvals=CSA, Board Standoff="Yes (With)", Connector Type=Plug,Header,Pin, Contact Finish - Mating=TIN, Contact Gender=Male, Contact Material=Bronze, Contact Mating Length=8.08mm, Contact Plating=Tin, Contact Post Length=0.125inch, Contact Protection="No (Without)", Contact Shape=Square, Contact Type="Male Pin", Current Rating=3A, Depth=2.34mm, ELV=Compliant, Fastening Type=Pull, Gasket="No (Without)", Gender=Male, High Speed Serial Data Connector=No, Housing Color=Black, Housing Material=Polymer, Insulation Color=Black, Insulation Material=Polymer, Keyed=No, Lead Free="Lead Free", Length=2.67mm, Mating Alignment="No (Without)", Mating Connector Lock="No (Without)", Mounting Technology="Through Hole", Number of Contacts=2, Number of Positions=2, Number of Rows=1, Orientation=Straight, Packaging=Carton, PCB Mount Retention=Without, PCB Mounting Orientation=Vertical, PCB Thickness=0.062inch, Pitch=2.54mm, Radiation Hardening=No, Reach SVHC Compliant=Unknown, RoHS Compliant=Yes, Row Spacing=2.54mm, Selectively Loaded="No (Without)", Series="AMPMODU MOD II", Stabilizers="No (Without)", Strain Relief="No (Without)", Termination="Through Hole"
J15: library part CMP-002-00182-1, "Conn Unshrouded Header HDR 10 POS 2.54mm Solder ST Thru-Hole Carton", High Temperature Compatible=No, Housing Color=Black, Package Quantity=320, Board Standoff="No (Without)", Connector Type=Plug,Header,Pin, Contact Finish - Mating=GOLD, Contact Material="Copper Alloy", Contact Mating Length=0.23inch, Contact Plating=Gold, Contact Protection="No (Without)", Contact Shape=Square, Contact Type="Male Pin", ELV=Non-Compliant, Fastening Type=Pull, Gasket="No (Without)", High Speed Serial Data Connector=No, High Temperature Housing=No, Housing Material=Thermoplastic, Keyed=No, Mating Alignment="No (Without)", Mating Connector Lock="No (Without)", Mounting Technology="Surface Mount", Number of Contacts=10, Number of Positions=10, Number of Rows=2, Orientation=Vertical, Packaging=Carton, PCB Mount Retention=Without, PCB Mounting Orientation=Vertical, Pitch=2.54mm, Plating Thickness=5um, Radiation Hardening=No, RoHS Compliant=No, Row Spacing=2.54mm, Sealable="No (Without)", Selectively Loaded="No (Without)", Series="AMPMODU MOD II", Stabilizers="No (Without)", Strain Relief="No (Without)", Termination=SMD/SMT
J18: library part CMP-002-00184-1, "Conn Unshrouded Header HDR 11 POS 2.54mm Solder ST Thru-Hole Carton", Flammability Rating="UL94 V-0", High Temperature Housing=No, Housing Color=Green, Max Operating Temperature=105°C, Min Operating Temperature=-65°C, Package Quantity=500, Board Standoff="No (Without)", Connector Type=Plug,Header,Pin, Contact Finish - Mating=GOLD, Contact Gender=Male, Contact Material=Bronze, Contact Mating Length=6.7mm, Contact Plating=Gold,Tin, Contact Post Length=0.1259inch, Contact Protection="No (Without)", Contact Shape=Square, Contact Type="Male Pin", ELV=Compliant, Fastening Type=Pull, Gasket="No (Without)", High Speed Serial Data Connector=No, Housing Material=PBT, Insulation Color=Green, Insulation Material=PBT, Keyed=No, Mating Alignment="No (Without)", Mating Connector Lock="No (Without)", Mounting Technology="Straddle Mount", Number of Contacts=11, Number of Positions=11, Number of Rows=1, Orientation=Straight, Packaging=Carton, PCB Mount Retention=Without, PCB Mounting Orientation=Vertical, Pitch=2.54mm, Plating Thickness=0.8um, Radiation Hardening=No, RoHS Compliant=Yes, Row Spacing=2.54mm, Selectively Loaded="No (Without)", Series="AMPMODU MOD II", Stabilizers="No (Without)", Strain Relief="No (Without)", Termination="Through Hole"
J19: library part CMP-002-00183-1, "Conn Unshrouded Header HDR 20 POS 2.54mm Solder ST Thru-Hole Box", Color=Green, Contact Current Rating=5A, Flammability Rating="UL94 V-0", High Temperature Housing=No, Max Operating Temperature=105°C, Min Operating Temperature=-65°C, Package Quantity=300, Board Standoff="No (Without)", Connector Type=Plug,Header,Pin, Contact Gender=Male, Contact Material=Bronze, Contact Mating Length=5.8mm, Contact Plating=Tin, Contact Post Length=0.1259inch, Contact Protection="No (Without)", Contact Shape=Square, Contact Type="Male Pin", ELV=Compliant, Gasket="No (Without)", High Speed Serial Data Connector=No, Housing Color=Green, Housing Material=PBT, Keyed=No, Mating Alignment="No (Without)", Mating Connector Lock="No (Without)", Mounting Technology="Through Hole", Number of Contacts=20, Number of Positions=20, Number of Rows=1, Packaging=Box, PCB Mount Retention=Without, PCB Mounting Orientation=Vertical, Pitch=2.54mm, Plating Thickness=2um, Radiation Hardening=No, RoHS Compliant=Yes, Row Spacing=2.54mm, Selectively Loaded="No (Without)", Series="AMPMODU MOD II", Stabilizers="No (Without)", Strain Relief="No (Without)", Termination="Through Hole"
P64: library part CMP-002-00178-2, "WR-MPC3; 3mm Pitch 10 Way 2 Row Shrouded Straight PCB Header; Through Hole", Color=Black, Current Rating=5A, Flammability Rating="UL94 V-0", Insulation Resistance=1GR, Manufacturer="Wurth Electronics", Max Operating Temperature=105°C, Min Operating Temperature=-25°C, Voltage Rating=250V, Category="Headers and Wire Housings", Component Type=Standard, ComponentLink1Description=https://datasheet.ciiva.com/8043/624425-8043421.pdf?src-supplier=Element14, ComponentLink1URL=https://datasheet.ciiva.com/8043/624425-8043421.pdf?src-supplier=Element14, ComponentLink2Description=https://datasheet.ciiva.com/731/6620xx21122-731332.pdf?src-supplier=Digi-Key, ComponentLink2URL=https://datasheet.ciiva.com/731/6620xx21122-731332.pdf?src-supplier=Digi-Key, Connector Type=Header, Contact Finish - Mating=TIN, Contact Gender=Male, Contact Material="Copper Alloy,Copper", Contact Plating=Tin, Contact Shape=Square, Contact Type="Male Pin", Fastening Type=Ramp, Gender=Receptacle, Height=9.9mm, Housing Material=Nylon, Insulation=Insulated, Insulation Color=Black, Insulation Material=Polymer, Length=18.7mm, Manufacturer Part Number=66201021122, Mounting Technology="Through Hole", Number of Contacts=10, Number of Positions=10, Number of Rows=2, Packaging=Tray, Pins=10, Pitch=3mm, Reach SVHC Compliant=Unknown, RoHS Compliant=Yes, Series=WR-MPC3, Termination="Through Hole", Width=18.7mm
P65: library part CMP-002-00177-2, "WR-MPC3 Series; 3mm Pitch 4 Way 2 Row Shrouded Straight PCB Header; Through Hole", Case/Package=63, Color=Black, Current Rating=5A, Flammability Rating="UL94 V-0", Insulation Resistance=1GR, Manufacturer="Wurth Electronics", Max Operating Temperature=105°C, Min Operating Temperature=-25°C, Voltage Rating=250V, Category="Headers and Wire Housings", Component Type=Standard, ComponentLink1Description=https://datasheet.ciiva.com/8043/624425-8043413.pdf?src-supplier=Element14, ComponentLink1URL=https://datasheet.ciiva.com/8043/624425-8043413.pdf?src-supplier=Element14, ComponentLink2Description=https://datasheet.ciiva.com/731/6620xx21122-731329.pdf?src-supplier=Digi-Key, ComponentLink2URL=https://datasheet.ciiva.com/731/6620xx21122-731329.pdf?src-supplier=Digi-Key, Connector Type=Header, Contact Finish - Mating=TIN, Contact Gender=Male, Contact Material="Copper Alloy,Copper", Contact Plating=Tin, Contact Shape=Square, Contact Type="Male Pin", Design Item ID=66200421122, Fastening Type=Ramp, Gender=Receptacle, Height=9.9mm, Housing Material=Nylon, Insulation=Insulated, Insulation Color=Black, Insulation Material=Polymer, Length=9.7mm, Manufacturer Part Number=66200421122, Mounting Technology="Through Hole", Number of Contacts=4, Number of Positions=4, Number of Rows=2, Packaging=Tray, Pins=4, Pitch=3mm, Reach SVHC Compliant=Unknown, RoHS Compliant=Yes, Row Spacing=0.118inch, Series=WR-MPC3, Termination="Through Hole", Width=9.7mm